# Altium PCB TCM.PcbDoc (part 6 of 10)
Units mm, origin at the board's own origin, x right, y up, seen from the top; angles counter-clockwise.
Board outline 280.25 x 366.95 mm, 6 copper layers (Top, L2, L3, L4, L5, Bot), stack 1.536 mm thick; 503 components, 762 nets, 3201 pads, 1645 vias.
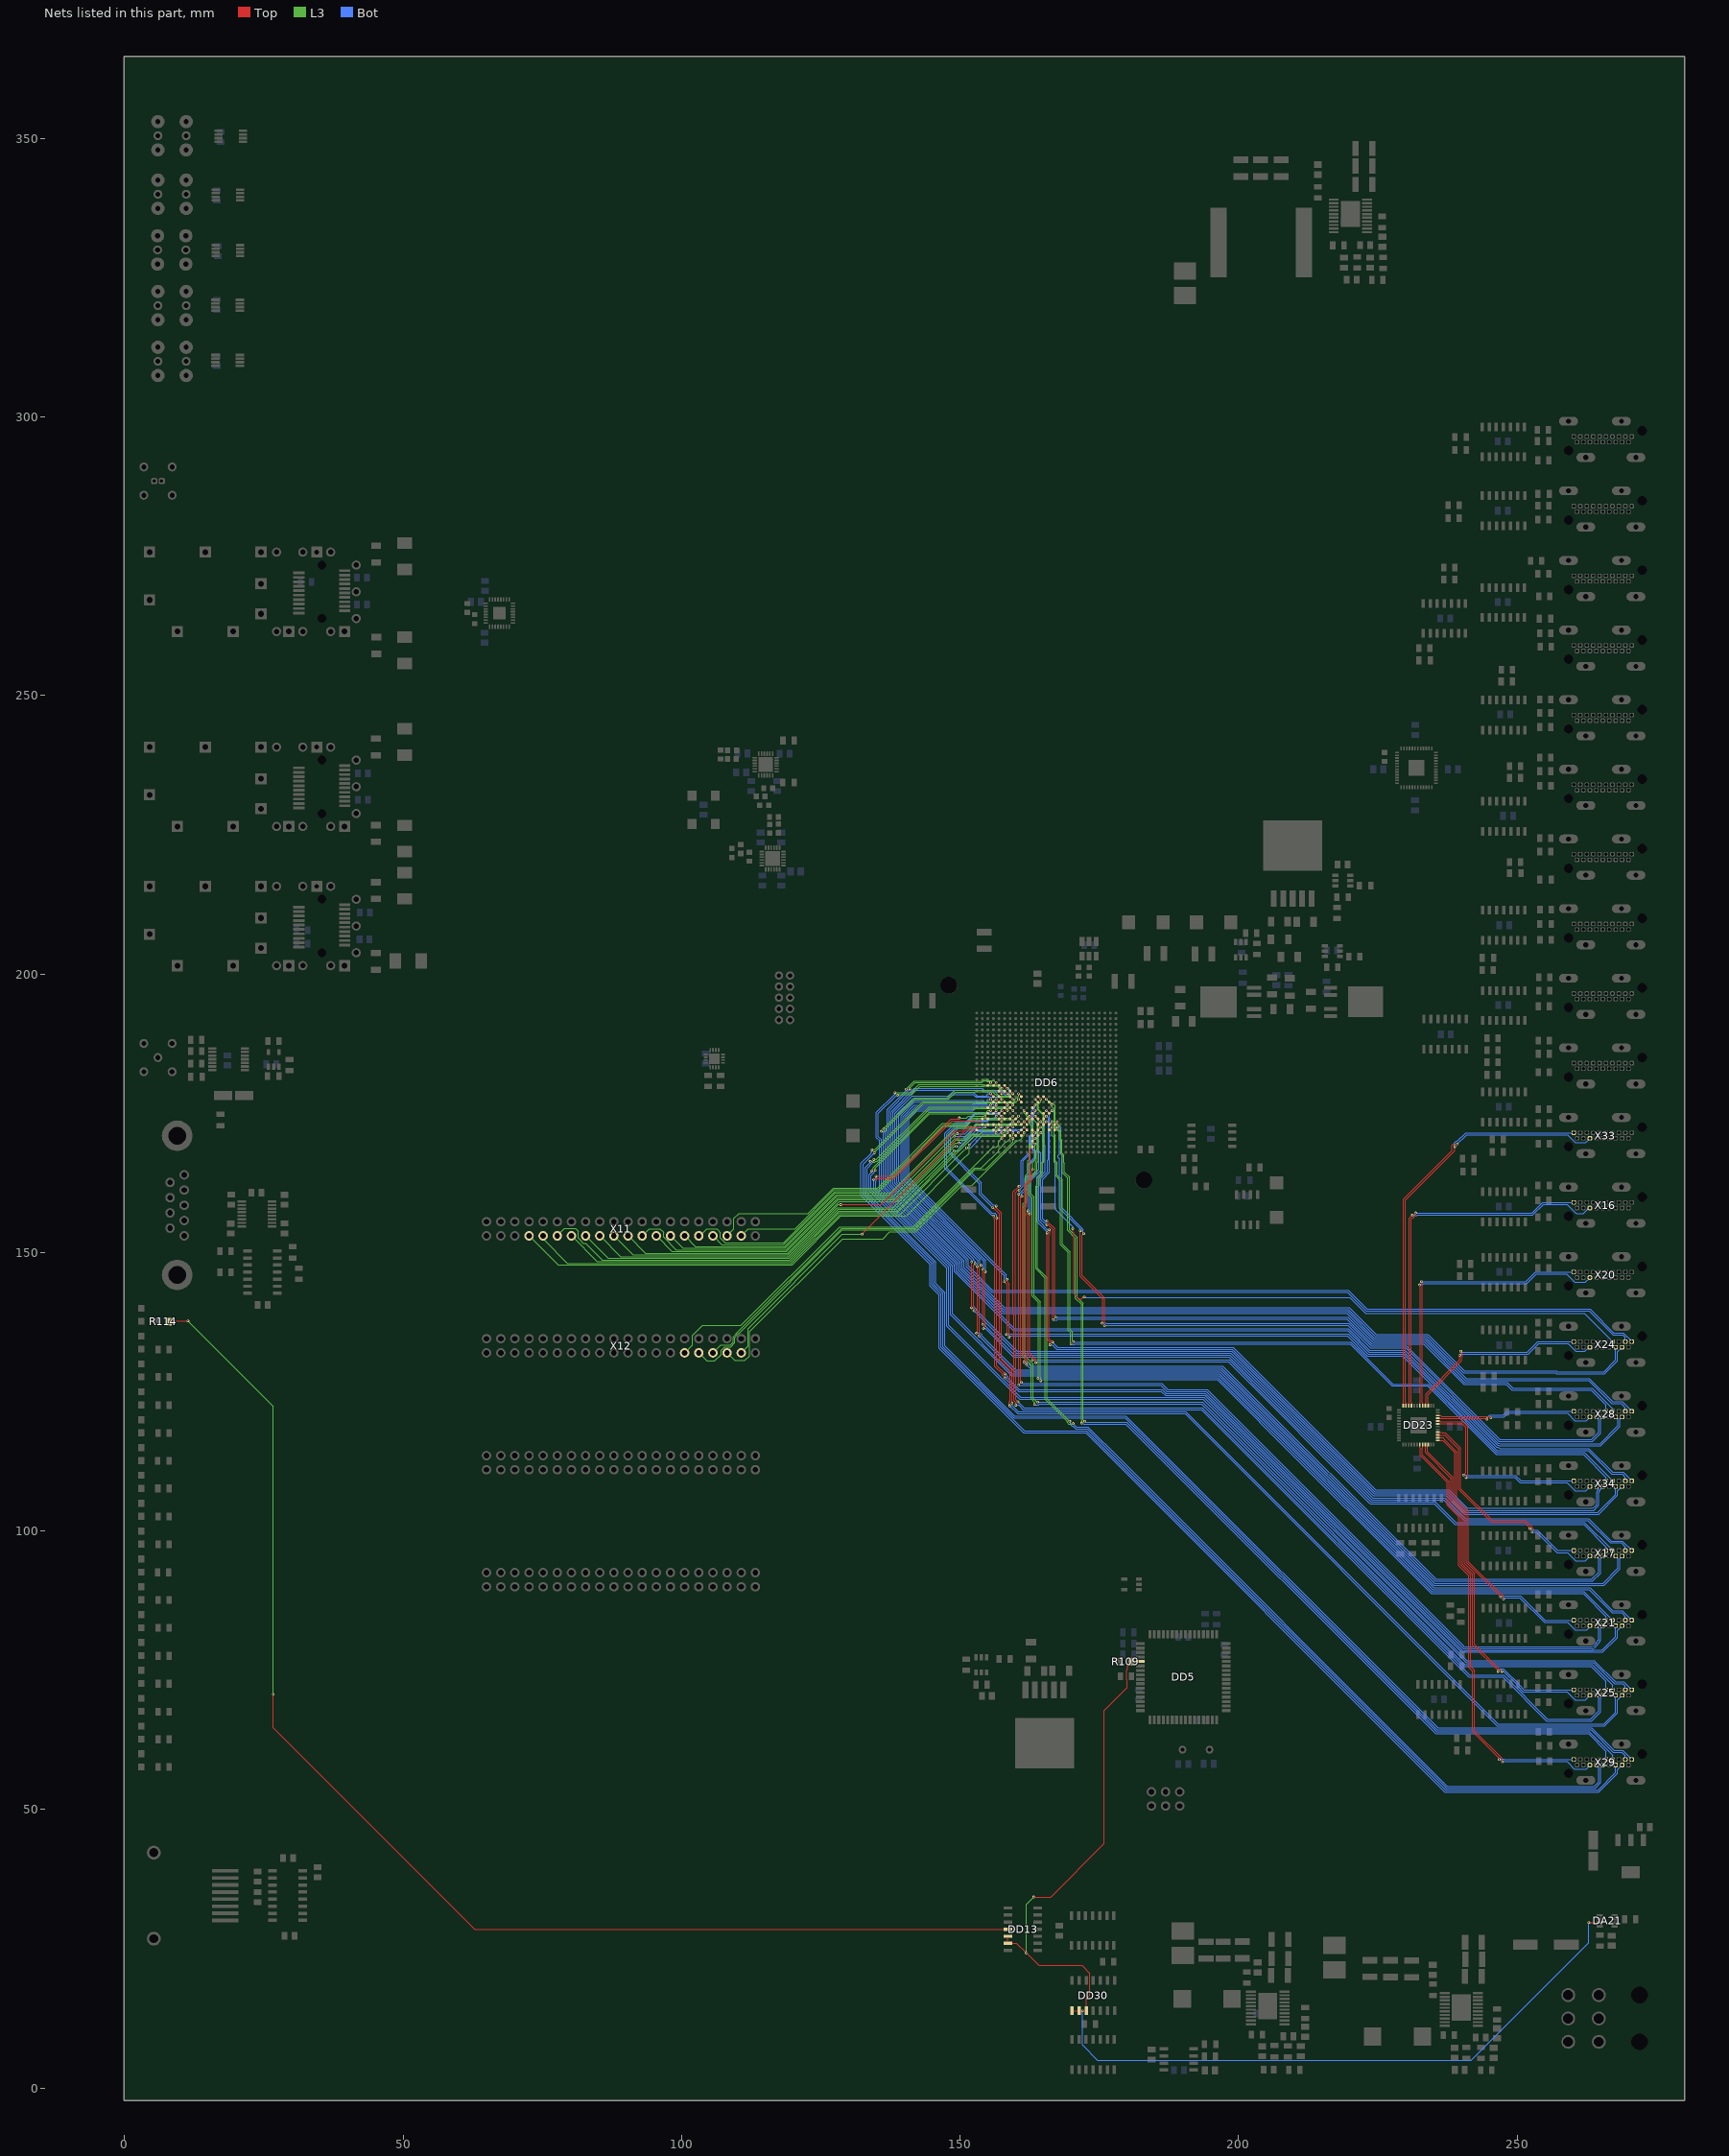
[diagram p10: the nets of this part, all layers, seen from the top]

## Via types
v1: diameter 0.48, hole 0.25, Top to Bot, tented both sides, 1515 vias
v2: diameter 1, hole 0.6, Top to Bot, tented both sides, 117 vias
v3: diameter 0.8, hole 0.4, Top to Bot, tented both sides, 8 vias
v4: diameter 5, hole 2.7, Top to Bot, tented both sides, 4 vias
v5: diameter 0.48/0/0/0/0/0.48 (per signal layer), hole 0.25, Top to Bot, tented both sides, 1 vias

## Nets (pads, with @x,y where several pads share a name; then routed paths per layer and width w, separated by ;. In a path a pad name is that pad's centre, name@x,y a point inside that pad or via, vN(x,y) a via of type N, cw(c..) or ccw(c..) an arc to the next point about the centre after c; other vN are vias at no path point) (continued)
HDMIC3.TCM_DA1_P: DD6.N19 X24.7 | length 135.8
  Top w0.1: DD6.N19@166,175 v1(166.5,175.5)
  Top w0.2: v1(170.234,154.3) 170.31,154.224 170.31,153.744 170.405,153.649 170.405,142.6 171.295,141.71 171.846,141.71 172.143,142.007 v1(172.3,142.007)
  Bot w0.1: v1(166.5,175.5) 166.895,175.105 166.895,169.193 167.124,168.964 167.124,165.5
  Bot w0.2: 167.124,165.5 167.124,157.997 167.15,157.971 167.15,157.676 170.234,154.591 v1(170.234,154.3) ; v1(172.3,142.007) 172.357,141.95 219.95,141.95 219.964,141.936 222.845,139.055 262.08,139.055 X24.7@267.135,134
HDMIC3.TCM_DT0_N: DD6.AD14 X24.6 | length 183.4
  Top w0.1: DD6.AD14@155,180 v1(155.5,180.5)
  L3 w0.1: 150.5,180.489 153.93,180.489 154.201,180.759 ; 154.036,180.595 154.336,180.895 154.664,180.895 154.864,180.695 155.304,180.695 v1(155.5,180.5)
  L3 w0.17: v1(141,179.361) 141,179.58 141.909,180.489 150.5,180.489
  Bot w0.2: v1(141,179.361) 140.836,179.196 140.836,179.097 137.3,175.561 137.3,161.977 150.765,148.512 150.765,147.286 157.951,140.1 219.895,140.1 224.495,135.5 224.505,135.5 224.693,135.312 234.002,135.312 240.564,128.749 257.06,128.749 257.21,128.6 265.6,128.6 267.712,130.712 X24.6@267.712,133
HDMIC3.TCM_DT0_P: DD6.AC14 X24.4 | length 186.2
  Top w0.1: DD6.AC14@156,180 v1(156.5,180.5)
  L3 w0.1: 150.5,180.809 153.967,180.809 154.253,181.095 154.746,181.095 154.946,180.895 156.105,180.895 v1(156.5,180.5)
  L3 w0.17: v1(140.346,179.3) 140.346,179.378 141.777,180.809 150.5,180.809
  Bot w0.2: v1(140.346,179.3) 140.346,179.102 136.95,175.706 136.95,161.832 150.415,148.368 150.415,147.141 157.806,139.75 219.75,139.75 224.2,135.3 224.35,135.15 224.36,135.15 224.548,134.962 233.857,134.962 240.419,128.399 256.916,128.399 257.065,128.25 265.745,128.25 268.062,130.567 268.062,132.195 X24.4@268.866,133
HDMIC3.TCM_DT1_N: DD6.AA15 X24.3 | length 181.4
  Top w0.1: DD6.AA15@158,179 v1(158.5,178.5)
  Bot w0.1: 150.5,179.455 153.987,179.455 154.336,179.105 156.336,179.105 156.664,179.105 157.336,179.105 ; 157.336,179.105 157.664,179.105 ; 157.664,179.105 157.895,179.105 v1(158.5,178.5)
  Bot w0.2: 150.5,179.455 141.805,179.455 137.65,175.3 137.65,162.122 151.115,148.657 151.115,147.431 155.696,142.85 219.55,142.85 222.89,139.51 262.961,139.51 267.23,135.24 268.947,135.24 269.445,134.742 X24.3@269.445,134
HDMIC3.TCM_DT1_P: DD6.AA14 X24.1 | length 183.1
  Top w0.1: DD6.AA14@158,180 v1(158.5,179.5)
  Bot w0.1: 150.5,179.105 154.054,179.105 154.253,178.905 154.746,178.905 ; 154.747,178.905 156.746,178.905 ; 156.747,178.905 157.253,178.905 ; 157.253,178.905 157.537,178.905 157.546,178.895 157.664,178.895 157.895,178.664 157.895,178.546 158.336,178.105 158.694,178.105 158.895,178.306 158.895,179.145 158.54,179.5 v1(158.5,179.5)
  Bot w0.2: 150.5,179.105 141.95,179.105 138,175.155 138,162.267 151.362,148.905 151.465,148.802 151.465,147.576 155.841,143.2 219.695,143.2 223.035,139.86 263.106,139.86 263.455,139.51 267.375,135.59 269.092,135.59 X24.1@270.6,134.082
HDMIC4.TCM_DA0_N: DD6.M22 X28.12 | length 140.9
  Top w0.1: DD6.M22@167,172 v1(167.5,172.5)
  Top w0.2: v1(171.6,153.9) 171.6,145.731 175.64,141.691 175.64,137.44 v1(175.5,137.3)
  Bot w0.1: v1(167.5,172.5) 167.5,172.059 167.895,171.664 167.895,167.704 167.605,167.414 167.605,167.086 167.895,166.796 167.895,165.5
  Bot w0.2: 167.895,165.5 167.9,165.495 167.9,157.915 171.6,154.215 v1(171.6,153.9) ; v1(175.5,137.3) 175.544,137.344 176.148,137.344 176.243,137.25 219.775,137.25 223.825,133.2 224.105,133.2 230.171,133.2 246.898,116.473 263.423,116.473 264.65,117.7 264.65,120.097 X28.12@264.247,120.5
HDMIC4.TCM_DA0_P: DD6.M21 X28.10 | length 142.6
  Top w0.1: DD6.M21@167,173 v1(167.5,173.5)
  Top w0.2: v1(172.2,153.4) 171.95,153.15 171.95,145.876 175.99,141.836 175.99,136.899 v1(175.945,136.854)
  Bot w0.1: v1(167.5,173.5) 167.5,173.058 168.095,172.463 168.095,167.714 168.395,167.414 168.395,166.996 168.256,166.857 168.256,165.5
  Bot w0.2: 168.256,165.5 168.256,158.055 171.95,154.36 171.95,154.243 172.09,154.103 172.09,153.51 v1(172.2,153.4) ; v1(175.945,136.854) 175.991,136.9 219.63,136.9 223.68,132.85 223.96,132.85 230.026,132.85 246.753,116.123 263.568,116.123 265,117.555 265,120.097 X28.10@265.402,120.5
HDMIC4.TCM_DA1_N: DD6.P20 X28.9 | length 146
  Top w0.1: DD6.P20@165,174 v1(165.5,174.5)
  Top w0.2: v1(165.592,155) 165.79,155 166.637,154.153 166.637,138.063 v1(166.745,137.954)
  Bot w0.1: v1(165.5,174.5) 165.895,174.105 165.895,173.336 ; 165.729,165.5 165.729,166.564 165.895,166.73 165.895,169.336 165.895,169.664 165.895,171.336 165.895,171.664 165.895,173.336
  Bot w0.2: v1(165.592,155) 165.396,155.195 165.389,155.195 165.249,155.335 165.071,155.335 164.5,155.907 164.5,163.27 165.729,164.499 165.729,165.5 ; v1(166.745,137.954) 166.789,137.91 167.393,137.91 167.533,138.05 219.47,138.05 223.97,133.55 224.25,133.55 233.265,133.55 240.452,126.363 248.059,126.363 249.121,125.3 263.324,125.3 265.98,122.644 X28.9@265.98,121.5
HDMIC4.TCM_DA1_P: DD6.P19 X28.7 | length 146.7
  Top w0.1: DD6.P19@165,175 165.05,175 165.5,175.45 v1(165.5,175.5)
  Top w0.2: 165.795,155.49 166.987,154.298 166.987,138.604 v1(167.19,138.4)
  Bot w0.1: v1(165.5,175.5) 166.095,174.905 166.095,172.747 166.095,171.747 166.095,171.253 ; 166.095,165.5 166.095,169.253 166.095,169.746 166.095,171.253
  Bot w0.2: v1(165.592,155.685) 165.216,155.685 164.85,156.052 164.85,163.125 166.095,164.37 166.095,165.5 ; v1(167.19,138.4) 219.615,138.4 224.115,133.9 224.445,133.9 233.41,133.9 240.597,126.713 248.204,126.713 249.266,125.65 263.469,125.65 267.135,121.984 X28.7@267.135,121.5
HDMIC4.TCM_DT0_N: DD6.AB15 X28.6 | length 194.6
  Top w0.1: DD6.AB15@157,179 v1(157.5,178.5)
  L3 w0.1: 150.5,179.825 154.266,179.825 154.336,179.895 154.664,179.895 156.663,179.895 157.105,179.454 157.105,179.336 157.5,178.941 v1(157.5,178.5)
  L3 w0.17: v1(138.774,178.226) 138.929,178.381 141.344,178.381 142.788,179.825 150.5,179.825
  Bot w0.2: v1(138.774,178.226) 138.576,178.226 135.345,174.995 135.345,170.8 135.9,170.245 135.9,161.398 149.365,147.933 149.365,146.706 159.771,136.3 219.735,136.3 223.535,132.5 223.815,132.5 229.881,132.5 246.609,115.773 246.885,115.773 246.978,115.68 264.892,115.68 268.115,118.903 268.115,120.097 X28.6@267.712,120.5
HDMIC4.TCM_DT0_P: DD6.AB14 X28.4 | length 195.8
  Top w0.1: DD6.AB14@157,180 v1(157.5,179.5)
  L3 w0.1: 150.5,180.145 154.296,180.145 154.337,180.105 156.895,180.105 v1(157.5,179.5)
  L3 w0.17: v1(138.328,178.671) 138.358,178.701 141.212,178.701 142.656,180.145 150.5,180.145
  Bot w0.2: v1(138.328,178.671) 138.328,178.473 134.995,175.14 134.995,170.942 134.995,170.655 135.55,170.1 135.55,161.253 149.015,147.788 149.015,146.561 159.626,135.95 219.59,135.95 223.39,132.15 223.67,132.15 229.736,132.15 246.464,115.423 246.677,115.423 246.77,115.33 265.037,115.33 268.465,118.758 268.465,120.097 X28.4@268.866,120.5
HDMIC4.TCM_DT1_N: DD6.Y16 X28.3 | length 189.5
  Top w0.1: DD6.Y16@159,178 v1(159.5,177.5)
  L3 w0.1: 150.5,178.836 152.636,178.836 152.705,178.905 155.837,178.905 156.848,177.895 157.336,177.895 ; 157.336,177.895 157.664,177.895 ; 157.664,177.895 158.336,177.895 159.105,177.895 v1(159.5,177.5)
  L3 w0.17: v1(135.851,171.751) 135.88,171.721 136.493,171.721 136.771,172 136.771,172.351 141.9,177.48 147.874,177.48 149.23,178.836 150.5,178.836
  Bot w0.2: v1(135.851,171.751) 135.9,171.8 136,171.8 136.25,171.55 136.25,161.543 149.715,148.078 149.715,146.851 157.516,139.05 219.46,139.05 224.26,134.25 233.555,134.25 240.742,127.063 262.837,127.063 267.03,122.87 268.735,122.87 269.445,122.16 X28.3@269.445,121.5
HDMIC4.TCM_DT1_P: DD6.Y15 X28.1 | length 189.5
  Top w0.1: DD6.Y15@159,179 v1(159.5,178.5)
  L3 w0.1: 150.5,179.156 154.286,179.156 154.336,179.105 156.048,179.105 157.048,178.105 158.664,178.105 159.059,178.5 v1(159.5,178.5)
  L3 w0.17: v1(136.296,172.196) 136.296,172.329 141.767,177.8 147.741,177.8 149.097,179.156 150.5,179.156
  Bot w0.2: v1(136.296,172.196) 136.247,172.147 136.247,172.047 136.6,171.695 136.6,161.688 150.065,148.223 150.065,146.996 157.661,139.4 219.605,139.4 224.405,134.6 233.7,134.6 240.887,127.413 262.982,127.413 267.175,123.22 268.88,123.22 X28.1@270.6,121.5
HDMIC5.TCM_DA0_N: DD6.P21 X34.12 | length 156.2
  Top w0.1: DD6.P21@165,173 v1(165.5,173.5)
  Top w0.2: v1(165.993,154.069) 165.958,154.069 165.958,153.871 166.098,153.731 166.098,153.325 165.958,153.185 165.958,134.557 v1(166.598,133.916)
  Bot w0.1: 165.299,165.5 165.299,169.142 165.105,169.337 165.105,173.104 v1(165.5,173.5)
  Bot w0.2: 165.299,165.5 165.299,164.564 164.135,163.4 164.135,155.694 165.729,154.1 165.9,154.1 165.931,154.069 v1(165.993,154.069) ; v1(166.598,133.916) 167.514,133 199.035,133 224.635,107.4 237.783,107.4 241.101,104.082 263.65,104.082 264.066,104.497 264.236,104.668 ccw(c264.094,104.809) 264.294,104.809 264.294,106.965 cw(c264.845,106.965) 264.548,107.428 264.553,107.432 ccw(c264.445,107.6) 264.645,107.599 ; X34.12@264.242,108 264.442,107.8 264.445,107.8 cw(c264.445,107.6) 264.645,107.6
HDMIC5.TCM_DA0_P: DD6.R21 X34.10 | length 157.3
  Top w0.1: DD6.R21@164,173 v1(164.5,173.5)
  Top w0.2: v1(165.608,153.528) 165.608,134.412 166.108,133.911 166.108,133.515 v1(166.153,133.471)
  Bot w0.1: v1(164.5,173.5) 164.85,173.15 164.85,172.709 164.895,172.664 164.895,172.336 164.85,172.291 164.85,171.709 164.895,171.664 164.895,171.336 164.85,171.291 164.85,169.709 164.895,169.664 164.895,168.291 164.85,168.246 164.85,165.5
  Bot w0.2: 164.85,165.5 164.85,164.61 163.785,163.545 163.785,155.549 165.423,153.91 165.608,153.726 v1(165.608,153.528) ; v1(166.153,133.471) 166.197,133.426 166.593,133.426 167.37,132.65 198.89,132.65 224.49,107.05 237.638,107.05 240.956,103.732 241.168,103.732 263.795,103.732 264.313,104.25 ; 264.314,104.25 264.483,104.42 ccw(c264.094,104.809) 264.644,104.809 264.645,106.965 cw(c264.845,106.965) 264.737,107.134 264.742,107.137 ccw(c264.445,107.6) 264.995,107.598 264.995,107.599 ; 264.995,107.6 cw(c265.195,107.6) 265.195,107.8 265.198,107.8 X34.10@265.402,108
HDMIC5.TCM_DA1_N: DD6.N22 X34.9 | length 147.5
  Top w0.1: DD6.N22@166,172 v1(166.5,172.5)
  L3 w0.1: v1(166.5,172.5) 166.5,171.058 166.895,170.663 166.895,166.258 167.135,166.018 167.135,165.5
  L3 w0.17: 167.135,165.5 167.135,163.791 168.064,162.862 168.064,151.383 169.439,150.008 169.439,136.025 169.862,135.602 169.862,133.618 v1(169.921,133.56)
  Bot w0.17: 170.169,133.53 170.563,133.53 170.613,133.58 220.044,133.58 227.572,126.052 233.945,126.052 240.46,119.537 240.46,119.51 246.215,113.755 246.637,113.755 246.667,113.725
  Bot w0.2: 246.667,113.725 261.915,113.725 265.98,109.66 X34.9@265.98,109
HDMIC5.TCM_DA1_P: DD6.N21 X34.7 | length 149
  Top w0.1: DD6.N21@166,173 v1(166.5,173.5)
  L3 w0.1: v1(166.5,173.5) 166.5,173.058 166.895,172.663 166.895,172.147 166.879,172.131 166.905,172.106 166.905,171.253 167.105,171.053 167.105,166.451 167.455,166.101 167.455,165.5
  L3 w0.17: 167.455,165.5 167.455,163.924 168.384,162.995 168.384,151.516 169.759,150.141 169.759,136.157 170.182,135.735 170.182,134.189 v1(170.366,134.005)
  Bot w0.17: v1(170.366,134.005) 170.471,133.9 220.176,133.9 227.705,126.372 234.078,126.372 240.78,119.67 240.78,119.643 246.348,114.075 246.8,114.075
  Bot w0.2: 246.8,114.075 262.06,114.075 X34.7@267.135,109
HDMIC5.TCM_DT0_N: DD6.AC16 X34.6 | length 194.2
  Top w0.1: v1(155.5,178.5) DD6.AC16@156,178
  Top w0.2: v1(152.066,140.1) 152.086,140.121 v1(152.086,148.3)
  Bot w0.1: 150.5,178.748 152.419,178.748 153.056,178.111 154.331,178.111 154.336,178.105 154.664,178.105 155.059,178.5 v1(155.5,178.5)
  Bot w0.2: 150.5,178.748 148.539,178.748 147.857,178.066 141.405,178.066 138.35,175.01 138.35,162.412 152.086,148.676 v1(152.086,148.3) ; v1(152.066,140.1) 152.653,140.1 152.99,139.763 152.99,139.565 155.45,137.105 160.255,132.3 198.745,132.3 206.122,124.922 224.345,106.7 237.437,106.7 240.378,103.759 240.755,103.382 264.522,103.382 267.712,106.572 X34.6@267.712,108
HDMIC5.TCM_DT0_P: DD6.AB16 X34.4 | length 196.7
  Top w0.1: DD6.AB16@157,178 v1(157.5,177.5)
  Top w0.2: v1(152.5,139.56) 152.5,139.841 152.556,139.897 152.556,140.303 152.436,140.422 152.436,147.736 v1(152.7,148)
  Bot w0.1: 150.5,178.395 152.366,178.395 152.856,177.905 154.746,177.905 154.783,177.942 157.058,177.942 v1(157.5,177.5)
  Bot w0.2: 150.5,178.395 148.681,178.395 148.002,177.716 141.55,177.716 138.7,174.865 138.7,162.557 152.436,148.821 152.436,148.643 152.7,148.379 v1(152.7,148) ; v1(152.5,139.56) 159.607,132.452 160.11,131.95 198.6,131.95 224.2,106.35 237.292,106.35 240.233,103.409 240.61,103.032 264.667,103.032 268.062,106.427 268.062,107.195 X34.4@268.866,108
HDMIC5.TCM_DT1_N: DD6.AA18 X34.3 | length 187.9
  Top w0.1: DD6.AA18@158,176 v1(158.5,175.5)
  Top w0.2: v1(158.41,145.21) 158.455,145.166 158.455,144.77 158.85,144.374 158.85,134.883 v1(158.805,134.839)
  Bot w0.1: 150.5,175.462 152.264,175.462 152.702,175.9 158.1,175.9 v1(158.5,175.5)
  Bot w0.2: 150.5,175.462 142.267,175.462 140.8,173.995 140.8,163.427 158.27,145.957 158.27,145.35 v1(158.41,145.21) ; v1(158.805,134.839) 158.967,135 219.55,135 223.1,131.45 223.38,131.45 229.446,131.45 246.441,114.456 262.753,114.456 267.013,110.196 268.909,110.196 269.445,109.66 X34.3@269.445,109
HDMIC5.TCM_DT1_P: DD6.AA17 X34.1 | length 189.3
  Top w0.1: DD6.AA17@158,177 v1(158.5,176.5)
  Top w0.2: v1(157.965,144.765) 158.5,144.229 158.5,135.424 v1(158.36,135.284)
  Bot w0.1: 150.5,175.812 152.331,175.812 152.619,176.1 158.1,176.1 v1(158.5,176.5)
  Bot w0.2: 150.5,175.812 142.122,175.812 140.45,174.14 140.45,163.282 157.92,145.812 157.92,144.809 v1(157.965,144.765) ; v1(158.36,135.284) 158.426,135.35 219.695,135.35 223.245,131.8 223.525,131.8 229.591,131.8 246.319,115.073 246.532,115.073 246.625,114.98 246.72,114.98 246.894,114.806 262.898,114.806 267.158,110.546 269.054,110.546 X34.1@270.6,109
HDMIC6.TCM_DA0_N: DD6.T25 X17.12 | length 162.6
  Top w0.1: 162.506,165.5 162.506,168.506 DD6.T25@163,169
  Top w0.2: v1(161.492,130.345) 161.492,130.543 161.632,130.683 161.632,131.283 161.31,131.605 161.31,158.16 161.632,158.482 161.632,162.28 162.506,163.154 162.506,165.5
  Bot w0.2: v1(161.492,130.345) 161.536,130.39 162.14,130.39 162.427,130.103 162.427,129.905 162.682,129.65 197.162,129.65 235.447,91.365 263.425,91.365 264.65,92.59 264.65,95.097 X17.12@264.247,95.5
HDMIC6.TCM_DA0_P: DD6.T24 X17.10 | length 164
  Top w0.1: DD6.T24@163,170 163,169.965 v1(163.465,169.5)
  Top w0.2: 161.982,130.142 161.982,131.428 161.66,131.75 161.66,158.015 161.982,158.337 161.982,162.135 162.856,163.009 162.856,164.794 162.992,164.929 v1(163.025,164.929)
  L3 w0.1: 163.025,165.5 163.025,166.212 163.465,166.652 v1(163.465,169.5)
  L3 w0.17: v1(163.025,164.929) 163.025,165.5
  Bot w0.2: v1@161.924,129.995 161.937,129.982 v1(161.937,129.9) 162.537,129.3 197.017,129.3 235.302,91.015 263.57,91.015 265,92.445 265,95.097 X17.10@265.402,95.5
HDMIC6.TCM_DA1_N: DD6.R23 X17.9 | length 160.5
  Top w0.1: DD6.R23@164,171 v1(164.5,171.5)
  Top w0.2: v1(162.5,156.9) 162.5,131.9 163.589,130.811 v1(163.589,130.2)
  Bot w0.1: 164.5,165.5 164.5,167.898 164.095,168.302 164.095,171.095 v1(164.5,171.5)
  Bot w0.2: v1(162.5,156.9) 162.5,157.136 162.661,157.297 162.661,157.495 162.715,157.549 162.715,162.97 164.5,164.755 164.5,165.5 ; v1(163.589,130.2) 163.739,130.35 198.198,130.35 223.455,105.093 223.648,104.9 235.118,104.9 238.845,101.173 261.967,101.173 265.98,97.16 X17.9@265.98,96.5
HDMIC6.TCM_DA1_P: DD6.R22 X17.7 | length 162.6
  Top w0.1: DD6.R22@164,172 164,172.01 164.49,172.5 v1(164.5,172.5)
  Top w0.2: v1(162.171,157.5) 162.171,157.264 162.01,157.103 162.01,156.697 162.15,156.557 162.15,131.755 163,130.905 v1(163,130.7) v1@163.105,130.7
  Bot w0.1: 164.15,165.5 164.15,167.883 163.895,168.137 163.895,171.895 v1(164.5,172.5)
  Bot w0.2: v1(162.171,157.5) 162.365,157.694 162.365,163.115 164.15,164.9 164.15,165.5 ; v1(163,130.7) 198.343,130.7 206.11,122.932 ; 206.121,122.921 223.6,105.443 223.793,105.25 235.263,105.25 238.99,101.523 262.112,101.523 X17.7@267.135,96.5
HDMIC6.TCM_DT0_N: DD6.AC17 X17.6 | length 201
  Top w0.1: v1(155.5,177.5) DD6.AC17@156,177
  Top w0.2: v1(152.943,135.5) 153.1,135.657 v1(153.1,147.5)
  Bot w0.1: 150.5,177.303 154.139,177.303 154.336,177.105 154.664,177.105 155.059,177.5 v1(155.5,177.5)
  Bot w0.2: 150.5,177.303 141.632,177.303 139.05,174.72 139.05,165.465 139.05,162.702 153.19,148.562 153.19,147.59 v1(153.1,147.5) ; v1(152.943,135.5) 152.987,135.544 153.591,135.544 153.878,135.257 153.878,135.059 159.988,128.95 196.862,128.95 235.177,90.635 265.438,90.635 268.115,93.312 268.115,95.097 X17.6@267.712,95.5
HDMIC6.TCM_DT0_P: DD6.AB17 X17.4 | length 202
  Top w0.1: v1(156.5,177.5) DD6.AB17@157,177
  Top w0.2: v1(153.388,135.054) 153.45,135.116 153.45,147.157 153.59,147.297 153.59,147.49 v1(153.8,147.7)
  Bot w0.1: 150.5,176.95 154.209,176.95 154.254,176.905 154.746,176.905 154.936,177.095 155.885,177.095 156.29,177.5 v1(156.5,177.5)
  Bot w0.2: 150.5,176.95 141.774,176.95 139.4,174.575 139.4,162.847 153.54,148.707 153.54,147.96 v1(153.8,147.7) ; v1(153.388,135.054) 159.843,128.6 196.717,128.6 205.252,120.065 235.032,90.285 265.583,90.285 268.465,93.167 268.465,95.097 X17.4@268.866,95.5
HDMIC6.TCM_DT1_N: DD6.AD18 X17.3 | length 193.4
  Top w0.1: DD6.AD18@155,176 v1(155.5,176.5)
  Top w0.2: v1(154.2,136.4) 154.2,136.507 154.59,136.897 154.59,137.303 154.45,137.443 154.45,146.452 154.446,146.455 v1(154.545,146.554)
  Bot w0.1: 150.5,176.112 152.255,176.112 152.642,176.5 v1(155.5,176.5)
  Bot w0.2: 150.5,176.112 141.927,176.112 140.1,174.285 140.1,163.137 154.64,148.597 154.64,146.649 v1(154.545,146.554) ; v1(154.2,136.4) 154.5,136.4 159.55,131.35 159.65,131.25 198.31,131.25 223.96,105.6 236.869,105.6 240.596,101.873 262.723,101.873 266.708,97.888 268.717,97.888 269.445,97.16 X17.3@269.445,96.5
HDMIC6.TCM_DT1_P: DD6.AC18 X17.1 | length 195.4
  Top w0.1: DD6.AC18@156,176 v1(156.5,176.5)
  Top w0.2: v1(154.1,137.1) 154.1,146.307 154.055,146.352 154.055,146.757 154.1,146.802 v1(154.1,147)
  Bot w0.1: 150.5,176.462 152.199,176.462 152.442,176.705 154.829,176.705 155.019,176.895 155.663,176.895 156.058,176.5 v1(156.5,176.5)
  Bot w0.2: 150.5,176.462 141.782,176.462 139.75,174.43 139.75,162.992 154.29,148.452 154.29,147.19 v1(154.1,147) ; v1(154.1,137.1) 154.295,137.1 159.795,131.6 198.455,131.6 205.604,124.451 224.105,105.95 237.014,105.95 240.741,102.223 262.868,102.223 263.786,101.304 266.9,98.19 268.91,98.19 X17.1@270.6,96.5
HDMIC7.TCM_DA0_N: DD6.T23 X21.12 | length 172.7
  Top w0.1: DD6.T23@163,171 v1(163.5,170.5)
  Top w0.2: v1(161,126.7) 160.884,126.816 160.884,159.884 v1(161.1,160.1)
  Bot w0.1: 162.534,165.5 162.534,165.884 163.607,166.957 163.607,168.115 163.048,168.674 163.048,170.048 v1(163.5,170.5)
  Bot w0.2: v1(161,126.7) 161.2,126.5 186.195,126.5 187.295,125.4 194.369,125.4 240.408,79.361 240.511,79.259 ccw(c240.652,79.4) 240.651,79.2 263.388,79.2 ccw(c263.387,79.4) 263.456,79.212 263.463,79.215 ccw(c263.394,79.403) 263.465,79.216 ccw(c263.394,79.403) 263.503,79.235 263.506,79.237 ccw(c263.061,80.389) 264.057,79.659 264.611,80.414 ccw(c264.45,80.532) 264.65,80.531 264.65,82.597 X21.12@264.247,83 ; v1(161.1,160.1) 161.1,160.512 162.015,161.427 162.015,163.26 162.534,163.779 162.534,165.5
HDMIC7.TCM_DA0_P: DD6.T22 X21.10 | length 175.2
  Top w0.1: DD6.T22@163,172 v1(163.5,171.5)
  Top w0.2: v1(160.534,160.5) 160.534,126.926 160.51,126.903 160.51,126.497 160.534,126.473 160.534,126.275 v1(160.554,126.254)
  Bot w0.1: 162.184,165.5 162.184,165.817 163.407,167.04 163.407,168.032 162.848,168.592 162.848,170.514 163.5,171.166 v1(163.5,171.5)
  Bot w0.2: v1(160.534,160.5) 160.593,160.5 161.665,161.572 161.665,163.405 162.184,163.924 162.184,165.5 ; v1(160.554,126.254) 160.599,126.21 160.995,126.21 161.055,126.15 186.05,126.15 187.15,125.05 194.224,125.05 240.161,79.114 240.263,79.011 ccw(c240.652,79.4) 240.651,78.85 263.389,78.85 ccw(c263.387,79.4) 263.576,78.884 263.584,78.886 ccw(c263.394,79.403) 263.59,78.889 263.636,78.906 ccw(c263.574,79.07) 263.639,78.908 ccw(c263.032,80.41) 264.338,79.451 264.893,80.207 ccw(c264.45,80.532) 265,80.53 ccw(c264.825,80.531) 265,80.531 265,82.597 X21.10@265.402,83